# Altium PCB SupplyBox_v3.PcbDoc (part 1 of 2) (continued)
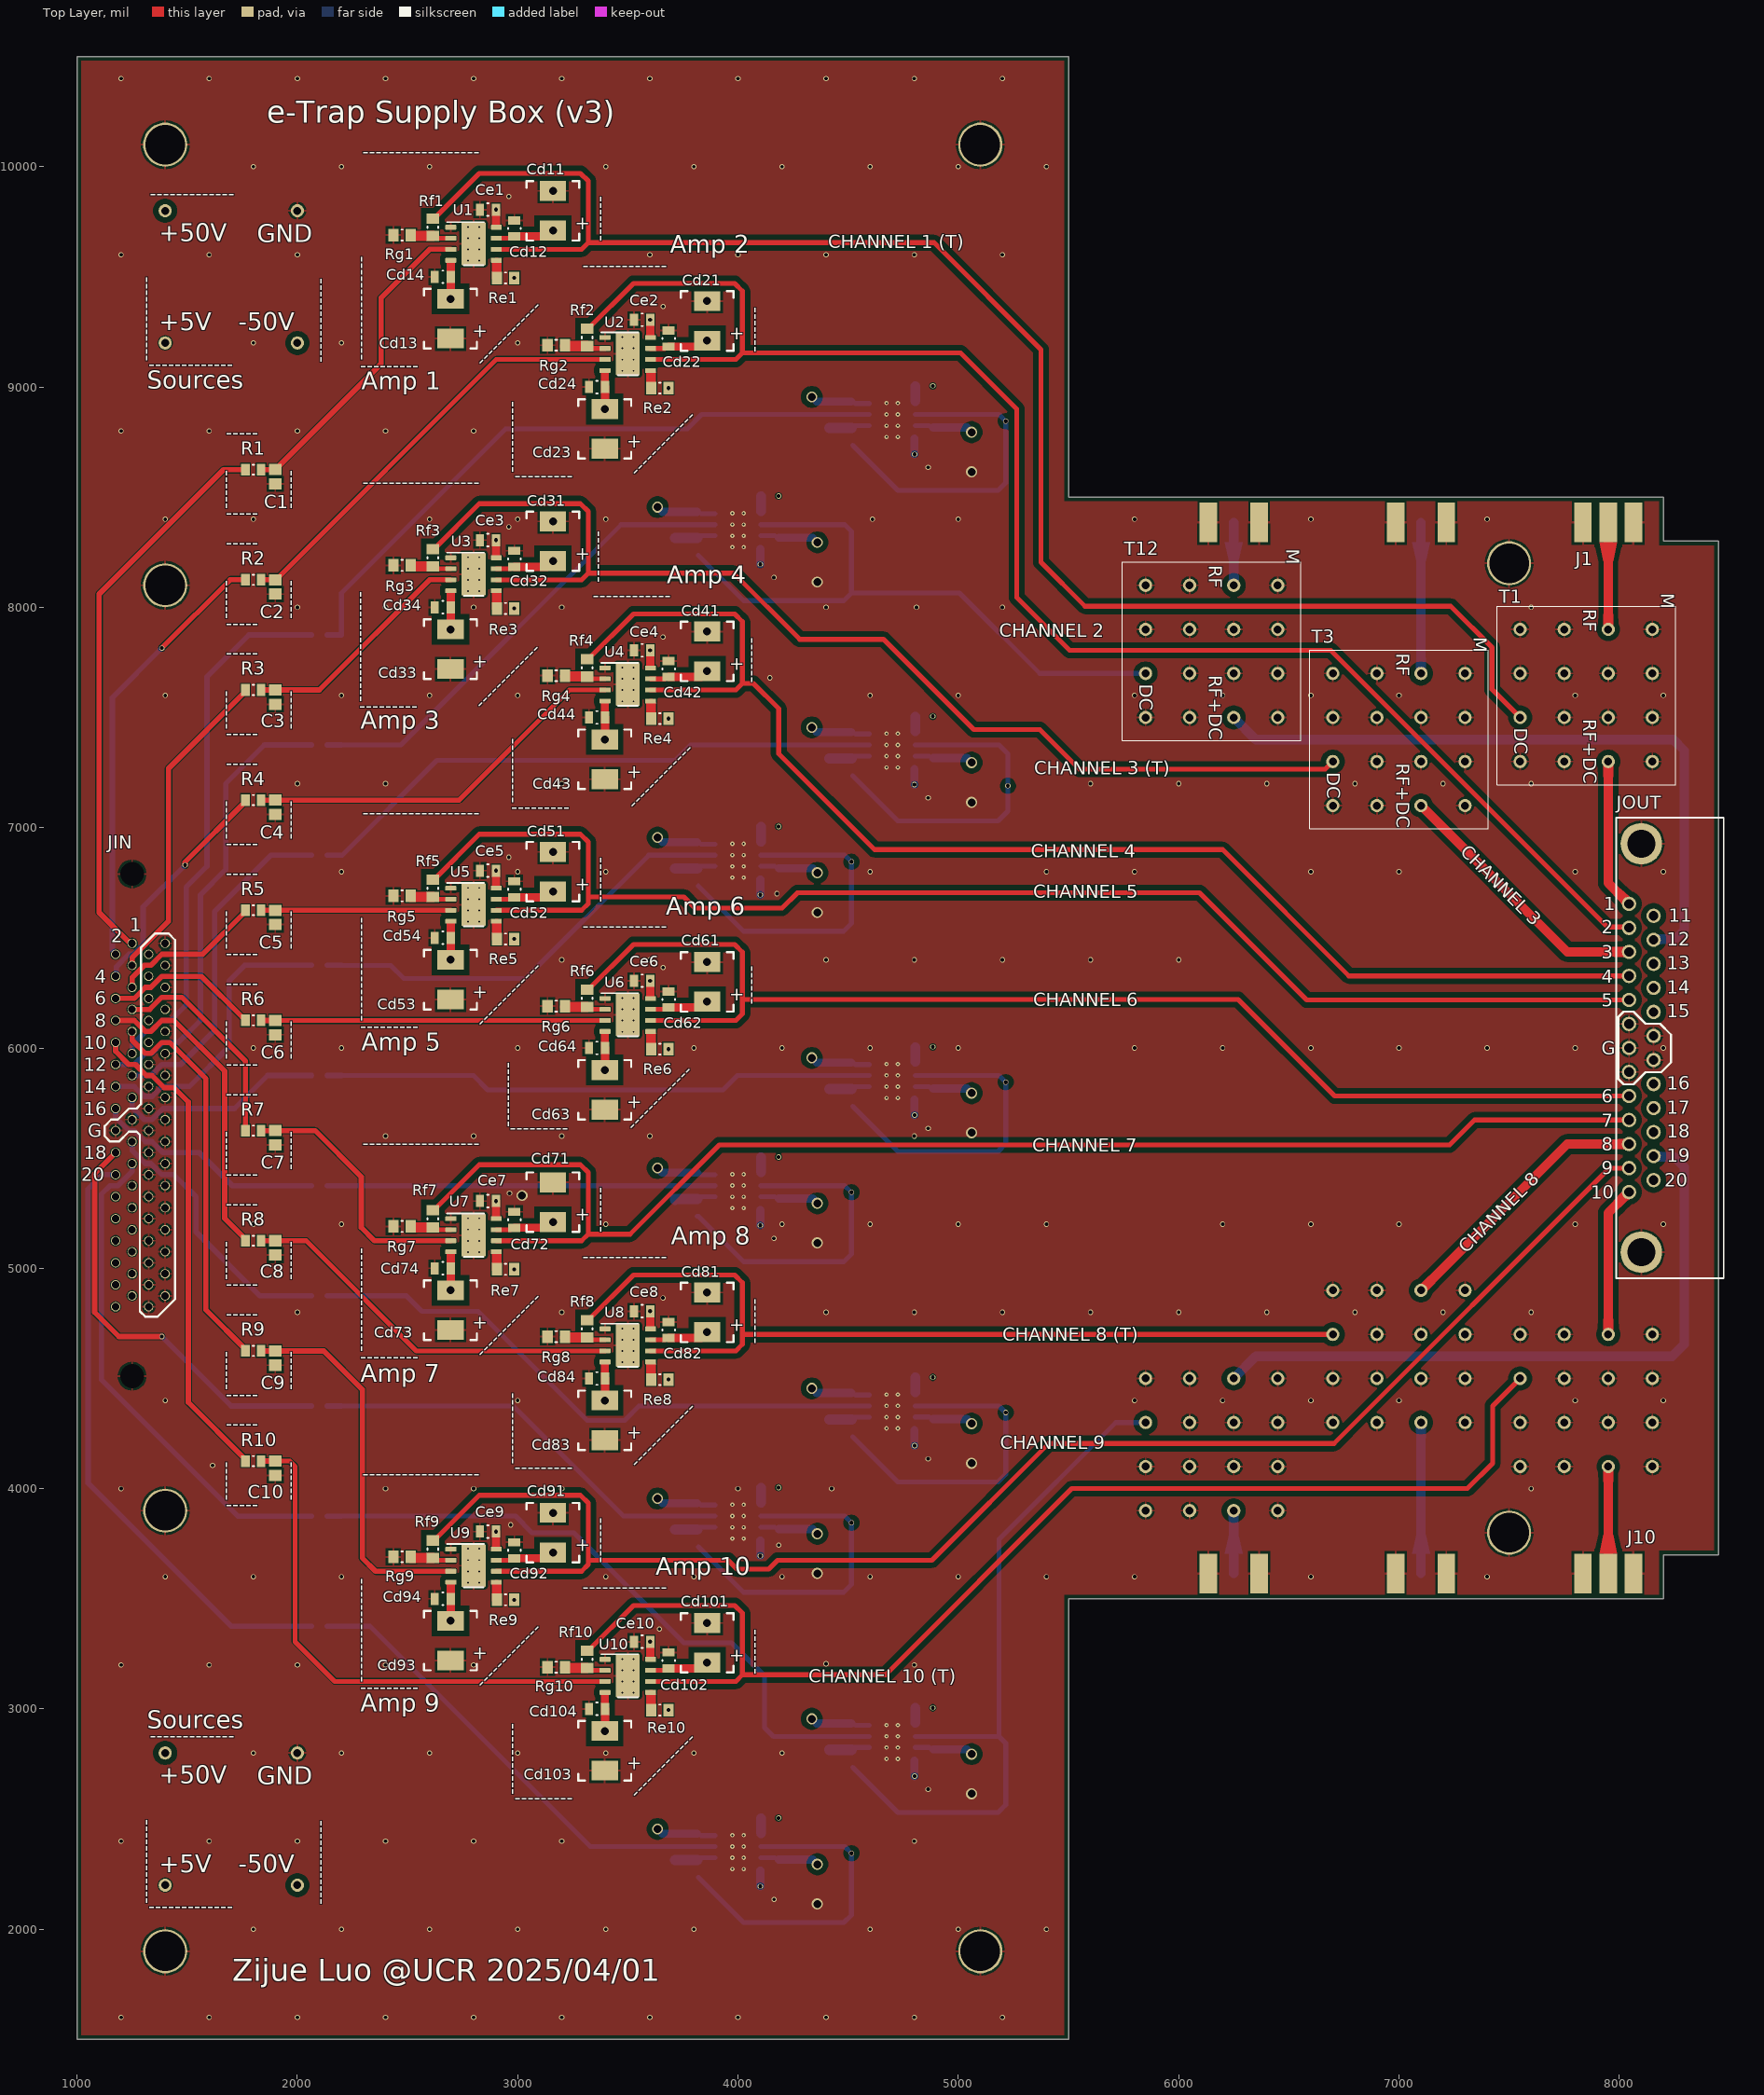
[diagram p0: Top Layer view]
## Components (designator, comment, footprint, x,y, rotation, side; value= is the part's Value field where it differs from the comment)
C1 "100n" CAPC2013X145X48NL20T23 1900,8592.52 r90 top
C2 "100n" CAPC2013X145X48NL20T23 1900,8092.52 r90 top
C3 "100n" CAPC2013X145X48NL20T23 1900,7592.52 r90 top
C4 "100n" CAPC2013X145X48NL20T23 1900,7092.52 r90 top
C5 "100n" CAPC2013X145X48NL20T23 1900,6592.52 r90 top
C6 "100n" CAPC2013X145X48NL20T23 1900,6092.52 r90 top
C7 "100n" CAPC2013X145X48NL20T23 1900,5592.52 r90 top
C8 "100n" CAPC2013X145X48NL20T23 1900,5092.52 r90 top
C9 "100n" CAPC2013X145X48NL20T23 1900,4592.52 r90 top
C10 "100n" CAPC2013X145X48NL20T23 1900,4092.52 r90 top
C11 "100n" CAPC2013X145X48NL20T23 2200,7842.52 r90 bottom
C12 "100n" CAPC2013X145X48NL20T23 2200,7342.52 r90 bottom
C13 "100n" CAPC2013X145X48NL20T23 2200,6842.52 r90 bottom
C14 "100n" CAPC2013X145X48NL20T23 2200,6342.52 r90 bottom
C15 "100n" CAPC2013X145X48NL20T23 2200,5842.52 r90 bottom
C16 "100n" CAPC2013X145X48NL20T23 2200,5342.52 r90 bottom
C17 "100n" CAPC2013X145X48NL20T23 2200,4842.52 r90 bottom
C18 "100n" CAPC2013X145X48NL20T23 2200,4342.52 r90 bottom
C19 "100n" CAPC2013X145X48NL20T23 2200,3842.52 r90 bottom
C20 "100n" CAPC2013X145X48NL20T23 2200,3342.52 r90 bottom
Cd11 "10u" RAHV1100M1UCC8002E-Footprint-1 3160,9800 r0 top
Cd12 "100n" FP-CC0805-0_85-MFG 2985,9720 r90 top value="100 nF"
Cd13 "10u" RAHV1100M1UCC8002E-Footprint-1 2695,9310 r180 top
Cd14 "100n" FP-CC0805-0_85-MFG 2660,9500 r180 top value="100 nF"
Cd21 "10u" RAHV1100M1UCC8002E-Footprint-1 3860,9300 r0 top
Cd22 "100n" FP-CC0805-0_85-MFG 3685,9220 r90 top value="100 nF"
Cd23 "10u" RAHV1100M1UCC8002E-Footprint-1 3395,8810 r180 top
Cd24 "100n" FP-CC0805-0_85-MFG 3360,9000 r180 top value="100 nF"
Cd31 "10u" RAHV1100M1UCC8002E-Footprint-1 3160,8300 r0 top
Cd32 "100n" FP-CC0805-0_85-MFG 2985,8220 r90 top value="100 nF"
Cd33 "10u" RAHV1100M1UCC8002E-Footprint-1 2695,7810 r180 top
Cd34 "100n" FP-CC0805-0_85-MFG 2660,8000 r180 top value="100 nF"
Cd41 "10u" RAHV1100M1UCC8002E-Footprint-1 3860,7800 r0 top
Cd42 "100n" FP-CC0805-0_85-MFG 3685,7720 r90 top value="100 nF"
Cd43 "10u" RAHV1100M1UCC8002E-Footprint-1 3395,7310 r180 top
Cd44 "100n" FP-CC0805-0_85-MFG 3360,7500 r180 top value="100 nF"
Cd51 "10u" RAHV1100M1UCC8002E-Footprint-1 3160,6800 r0 top
Cd52 "100n" FP-CC0805-0_85-MFG 2985,6720 r90 top value="100 nF"
Cd53 "10u" RAHV1100M1UCC8002E-Footprint-1 2695,6310 r180 top
Cd54 "100n" FP-CC0805-0_85-MFG 2660,6500 r180 top value="100 nF"
Cd61 "10u" RAHV1100M1UCC8002E-Footprint-1 3860,6300 r0 top
Cd62 "100n" FP-CC0805-0_85-MFG 3685,6220 r90 top value="100 nF"
Cd63 "10u" RAHV1100M1UCC8002E-Footprint-1 3395,5810 r180 top
Cd64 "100n" FP-CC0805-0_85-MFG 3360,6000 r180 top value="100 nF"
Cd71 "10u" RAHV1100M1UCC8002E-Footprint-1 3160,5300 r0 top
Cd72 "100n" FP-CC0805-0_85-MFG 2985,5220 r90 top value="100 nF"
Cd73 "10u" RAHV1100M1UCC8002E-Footprint-1 2695,4810 r180 top
Cd74 "100n" FP-CC0805-0_85-MFG 2660,5000 r180 top value="100 nF"
Cd81 "10u" RAHV1100M1UCC8002E-Footprint-1 3860,4800 r0 top
Cd82 "100n" FP-CC0805-0_85-MFG 3685,4720 r90 top value="100 nF"
Cd83 "10u" RAHV1100M1UCC8002E-Footprint-1 3395,4310 r180 top
Cd84 "100n" FP-CC0805-0_85-MFG 3360,4500 r180 top value="100 nF"
Cd91 "10u" RAHV1100M1UCC8002E-Footprint-1 3160,3800 r0 top
Cd92 "100n" FP-CC0805-0_85-MFG 2985,3720 r90 top value="100 nF"
Cd93 "10u" RAHV1100M1UCC8002E-Footprint-1 2695,3310 r180 top
Cd94 "100n" FP-CC0805-0_85-MFG 2660,3500 r180 top value="100 nF"
Cd101 "10u" RAHV1100M1UCC8002E-Footprint-1 3860,3300 r0 top
Cd102 "100n" FP-CC0805-0_85-MFG 3685,3220 r90 top value="100 nF"
Cd103 "10u" RAHV1100M1UCC8002E-Footprint-1 3395,2810 r180 top
Cd104 "100n" FP-CC0805-0_85-MFG 3360,3000 r180 top value="100 nF"
Cd111 "10u" RAHV1100M1UCC8002E-Footprint-1 5060,8705 r0 bottom
Cd112 "100n" FP-CC0805-0_85-MFG 4885,8780 r270 bottom value="100 nF"
Cd113 "10u" RAHV1100M1UCC8002E-Footprint-1 4335,9045 r180 bottom
Cd114 "100n" FP-CC0805-0_85-MFG 4515,8970 r90 bottom value="100 nF"
Cd121 "10u" RAHV1100M1UCC8002E-Footprint-1 4360,8205 r0 bottom
Cd122 "100n" FP-CC0805-0_85-MFG 4185,8280 r270 bottom value="100 nF"
Cd123 "10u" RAHV1100M1UCC8002E-Footprint-1 3635,8545 r180 bottom
Cd124 "100n" FP-CC0805-0_85-MFG 3815,8470 r90 bottom value="100 nF"
Cd131 "10u" RAHV1100M1UCC8002E-Footprint-1 5060,7205 r0 bottom
Cd132 "100n" FP-CC0805-0_85-MFG 4885,7280 r270 bottom value="100 nF"
Cd133 "10u" RAHV1100M1UCC8002E-Footprint-1 4335,7545 r180 bottom
Cd134 "100n" FP-CC0805-0_85-MFG 4515,7470 r90 bottom value="100 nF"
Cd141 "10u" RAHV1100M1UCC8002E-Footprint-1 4360,6705 r0 bottom
Cd142 "100n" FP-CC0805-0_85-MFG 4185,6780 r270 bottom value="100 nF"
Cd143 "10u" RAHV1100M1UCC8002E-Footprint-1 3635,7045 r180 bottom
Cd144 "100n" FP-CC0805-0_85-MFG 3815,6970 r90 bottom value="100 nF"
Cd151 "10u" RAHV1100M1UCC8002E-Footprint-1 5060,5705 r0 bottom
Cd152 "100n" FP-CC0805-0_85-MFG 4885,5780 r270 bottom value="100 nF"
Cd153 "10u" RAHV1100M1UCC8002E-Footprint-1 4335,6045 r180 bottom
Cd154 "100n" FP-CC0805-0_85-MFG 4515,5970 r90 bottom value="100 nF"
Cd161 "10u" RAHV1100M1UCC8002E-Footprint-1 4360,5205 r0 bottom
Cd162 "100n" FP-CC0805-0_85-MFG 4185,5280 r270 bottom value="100 nF"
Cd163 "10u" RAHV1100M1UCC8002E-Footprint-1 3635,5545 r180 bottom
Cd164 "100n" FP-CC0805-0_85-MFG 3815,5470 r90 bottom value="100 nF"
Cd171 "10u" RAHV1100M1UCC8002E-Footprint-1 5060,4205 r0 bottom
Cd172 "100n" FP-CC0805-0_85-MFG 4885,4280 r270 bottom value="100 nF"
Cd173 "10u" RAHV1100M1UCC8002E-Footprint-1 4335,4545 r180 bottom
Cd174 "100n" FP-CC0805-0_85-MFG 4515,4470 r90 bottom value="100 nF"
Cd181 "10u" RAHV1100M1UCC8002E-Footprint-1 4360,3705 r0 bottom
Cd182 "100n" FP-CC0805-0_85-MFG 4185,3780 r270 bottom value="100 nF"
Cd183 "10u" RAHV1100M1UCC8002E-Footprint-1 3635,4045 r180 bottom
Cd184 "100n" FP-CC0805-0_85-MFG 3815,3970 r90 bottom value="100 nF"
Cd191 "10u" RAHV1100M1UCC8002E-Footprint-1 5060,2705 r0 bottom
Cd192 "100n" FP-CC0805-0_85-MFG 4885,2780 r270 bottom value="100 nF"
Cd193 "10u" RAHV1100M1UCC8002E-Footprint-1 4335,3045 r180 bottom
Cd194 "100n" FP-CC0805-0_85-MFG 4515,2970 r90 bottom value="100 nF"
Cd201 "10u" RAHV1100M1UCC8002E-Footprint-1 4360,2205 r0 bottom
Cd202 "100n" FP-CC0805-0_85-MFG 4185,2280 r270 bottom value="100 nF"
Cd203 "10u" RAHV1100M1UCC8002E-Footprint-1 3635,2545 r180 bottom
Cd204 "100n" FP-CC0805-0_85-MFG 3815,2470 r90 bottom value="100 nF"
Ce1 "100n" FP-CC0805-0_85-MFG 2865,9805 r0 top value="100 nF"
Ce2 "100n" FP-CC0805-0_85-MFG 3565,9305 r0 top value="100 nF"
Ce3 "100n" FP-CC0805-0_85-MFG 2865,8305 r0 top value="100 nF"
Ce4 "100n" FP-CC0805-0_85-MFG 3565,7805 r0 top value="100 nF"
Ce5 "100n" FP-CC0805-0_85-MFG 2865,6805 r0 top value="100 nF"
Ce6 "100n" FP-CC0805-0_85-MFG 3565,6305 r0 top value="100 nF"
Ce7 "100n" FP-CC0805-0_85-MFG 2865,5305 r0 top value="100 nF"
Ce8 "100n" FP-CC0805-0_85-MFG 3565,4805 r0 top value="100 nF"
Ce9 "100n" FP-CC0805-0_85-MFG 2865,3805 r0 top value="100 nF"
Ce10 "100n" FP-CC0805-0_85-MFG 3565,3305 r0 top value="100 nF"
Ce11 "100n" FP-CC0805-0_85-MFG 4765,8695 r0 bottom value="100 nF"
Ce12 "100n" FP-CC0805-0_85-MFG 4065,8195 r0 bottom value="100 nF"
Ce13 "100n" FP-CC0805-0_85-MFG 4765,7195 r0 bottom value="100 nF"
Ce14 "100n" FP-CC0805-0_85-MFG 4065,6695 r0 bottom value="100 nF"
Ce15 "100n" FP-CC0805-0_85-MFG 4765,5695 r0 bottom value="100 nF"
Ce16 "100n" FP-CC0805-0_85-MFG 4065,5195 r0 bottom value="100 nF"
Ce17 "100n" FP-CC0805-0_85-MFG 4765,4195 r0 bottom value="100 nF"
Ce18 "100n" FP-CC0805-0_85-MFG 4065,3695 r0 bottom value="100 nF"
Ce19 "100n" FP-CC0805-0_85-MFG 4765,2695 r0 bottom value="100 nF"
Ce20 "100n" FP-CC0805-0_85-MFG 4065,2195 r0 bottom value="100 nF"
J1 "SMA Connector Female" SMA_Smaller 7950,8385 r0 top
J3 "SMA Connector Female" SMA_Smaller 7100,8385 r180 bottom
J8 "SMA Connector Female" SMA_Smaller 7100,3615 r180 bottom
J10 "SMA Connector Female" SMA_Smaller 7950,3615 r0 top
J12 "SMA Connector Female" SMA_Smaller 6250,8385 r180 bottom
J19 "SMA Connector Female" SMA_Smaller 6250,3615 r180 bottom
JIN "1761028-4" 1761028-4-Footprint-1 1250,6475 r90 top
JOUT "618025231121" 618025231121 8230,6000 r90 top
R1 "4.7k" RESC2013X60X35NL10T20 1800,8625 r0 top
R2 "4.7k" RESC2013X60X35NL10T20 1800,8125 r0 top
R3 "4.7k" RESC2013X60X35NL10T20 1800,7625 r0 top
R4 "4.7k" RESC2013X60X35NL10T20 1800,7125 r0 top
R5 "4.7k" RESC2013X60X35NL10T20 1800,6625 r0 top
R6 "4.7k" RESC2013X60X35NL10T20 1800,6125 r0 top
R7 "4.7k" RESC2013X60X35NL10T20 1800,5625 r0 top
R8 "4.7k" RESC2013X60X35NL10T20 1800,5125 r0 top
R9 "4.7k" RESC2013X60X35NL10T20 1800,4625 r0 top
R10 "4.7k" RESC2013X60X35NL10T20 1800,4125 r0 top
R11 "4.7k" RESC2013X60X35NL10T20 2100,7875 r0 bottom
R12 "4.7k" RESC2013X60X35NL10T20 2100,7375 r0 bottom
R13 "4.7k" RESC2013X60X35NL10T20 2100,6875 r0 bottom
R14 "4.7k" RESC2013X60X35NL10T20 2100,6375 r0 bottom
R15 "4.7k" RESC2013X60X35NL10T20 2100,5875 r0 bottom
R16 "4.7k" RESC2013X60X35NL10T20 2100,5375 r0 bottom
R17 "4.7k" RESC2013X60X35NL10T20 2100,4875 r0 bottom
R18 "4.7k" RESC2013X60X35NL10T20 2100,4375 r0 bottom
R19 "4.7k" RESC2013X60X35NL10T20 2100,3875 r0 bottom
R20 "4.7k" RESC2013X60X35NL10T20 2100,3375 r0 bottom
Re1 "10k" RESC2013X60X35ML10T20 2945,9495 r0 top
Re2 "10k" RESC2013X60X35ML10T20 3645,8995 r0 top
Re3 "10k" RESC2013X60X35ML10T20 2945,7995 r0 top
Re4 "10k" RESC2013X60X35ML10T20 3645,7495 r0 top
Re5 "10k" RESC2013X60X35ML10T20 2945,6495 r0 top
Re6 "10k" RESC2013X60X35ML10T20 3645,5995 r0 top
Re7 "10k" RESC2013X60X35ML10T20 2945,4995 r0 top
Re8 "10k" RESC2013X60X35ML10T20 3645,4495 r0 top
Re9 "10k" RESC2013X60X35ML10T20 2945,3495 r0 top
Re10 "10k" RESC2013X60X35ML10T20 3645,2995 r0 top
Re11 "10k" RESC2013X60X35ML10T20 4845,9005 r0 bottom
Re12 "10k" RESC2013X60X35ML10T20 4145,8505 r0 bottom
Re13 "10k" RESC2013X60X35ML10T20 4845,7505 r0 bottom
Re14 "10k" RESC2013X60X35ML10T20 4145,7005 r0 bottom
Re15 "10k" RESC2013X60X35ML10T20 4845,6005 r0 bottom
Re16 "10k" RESC2013X60X35ML10T20 4145,5505 r0 bottom
Re17 "10k" RESC2013X60X35ML10T20 4845,4505 r0 bottom
Re18 "10k" RESC2013X60X35ML10T20 4145,4005 r0 bottom
Re19 "10k" RESC2013X60X35ML10T20 4845,3005 r0 bottom
Re20 "10k" RESC2013X60X35ML10T20 4145,2505 r0 bottom
Rf1 "33k" RESC2013X60X35ML10T20 2615,9725 r90 top
Rf2 "33k" RESC2013X60X35ML10T20 3315,9225 r90 top
Rf3 "33k" RESC2013X60X35ML10T20 2615,8225 r90 top
Rf4 "33k" RESC2013X60X35ML10T20 3315,7725 r90 top
Rf5 "33k" RESC2013X60X35ML10T20 2615,6725 r90 top
Rf6 "33k" RESC2013X60X35ML10T20 3315,6225 r90 top
Rf7 "33k" RESC2013X60X35ML10T20 2615,5225 r90 top
Rf8 "33k" RESC2013X60X35ML10T20 3315,4725 r90 top
Rf9 "33k" RESC2013X60X35ML10T20 2615,3725 r90 top
Rf10 "33k" RESC2013X60X35ML10T20 3315,3225 r90 top
Rf11 "33k" RESC2013X60X35ML10T20 4515,8775 r270 bottom
Rf12 "33k" RESC2013X60X35ML10T20 3815,8275 r270 bottom
Rf13 "33k" RESC2013X60X35ML10T20 4515,7275 r270 bottom
Rf14 "33k" RESC2013X60X35ML10T20 3815,6775 r270 bottom
Rf15 "33k" RESC2013X60X35ML10T20 4515,5775 r270 bottom
Rf16 "33k" RESC2013X60X35ML10T20 3815,5275 r270 bottom
Rf17 "33k" RESC2013X60X35ML10T20 4515,4275 r270 bottom
Rf18 "33k" RESC2013X60X35ML10T20 3815,3775 r270 bottom
Rf19 "33k" RESC2013X60X35ML10T20 4515,2775 r270 bottom
Rf20 "33k" RESC2013X60X35ML10T20 3815,2275 r270 bottom
Rg1 "10k" RESC2013X60X35ML10T20 2475,9690 r0 top
Rg2 "10k" RESC2013X60X35ML10T20 3175,9190 r0 top
Rg3 "10k" RESC2013X60X35ML10T20 2475,8190 r0 top
Rg4 "10k" RESC2013X60X35ML10T20 3175,7690 r0 top
Rg5 "10k" RESC2013X60X35ML10T20 2475,6690 r0 top
Rg6 "10k" RESC2013X60X35ML10T20 3175,6190 r0 top
Rg7 "10k" RESC2013X60X35ML10T20 2475,5190 r0 top
Rg8 "10k" RESC2013X60X35ML10T20 3175,4690 r0 top
Rg9 "10k" RESC2013X60X35ML10T20 2475,3690 r0 top
Rg10 "10k" RESC2013X60X35ML10T20 3175,3190 r0 top
Rg11 "10k" RESC2013X60X35ML10T20 4375,8810 r0 bottom
Rg12 "10k" RESC2013X60X35ML10T20 3675,8310 r0 bottom
Rg13 "10k" RESC2013X60X35ML10T20 4375,7310 r0 bottom
Rg14 "10k" RESC2013X60X35ML10T20 3675,6810 r0 bottom
Rg15 "10k" RESC2013X60X35ML10T20 4375,5810 r0 bottom
Rg16 "10k" RESC2013X60X35ML10T20 3675,5310 r0 bottom
Rg17 "10k" RESC2013X60X35ML10T20 4375,4310 r0 bottom
Rg18 "10k" RESC2013X60X35ML10T20 3675,3810 r0 bottom
Rg19 "10k" RESC2013X60X35ML10T20 4375,2810 r0 bottom
Rg20 "10k" RESC2013X60X35ML10T20 3675,2310 r0 bottom
T1 "PBTC-1GW+" PBTC-1GW+ 7850,7600 r270 top
T3 "PBTC-1GW+" PBTC-1GW+ 7000,7400 r270 top
T8 "PBTC-1GW+" PBTC-1GW+ 7000,4600 r90 bottom
T10 "PBTC-1GW+" PBTC-1GW+ 7850,4400 r90 bottom
T12 "PBTC-1GW+" PBTC-1GW+ 6150,7800 r270 top
T19 "PBTC-1GW+" PBTC-1GW+ 6150,4200 r90 bottom
U1 "OPA454AIDDA" DDA0008C_L#1 2800,9650 r0 top
U2 "OPA454AIDDA" DDA0008C_L#1 3500,9150 r0 top
U3 "OPA454AIDDA" DDA0008C_L#1 2800,8150 r0 top
U4 "OPA454AIDDA" DDA0008C_L#1 3500,7650 r0 top
U5 "OPA454AIDDA" DDA0008C_L#1 2800,6650 r0 top
U6 "OPA454AIDDA" DDA0008C_L#1 3500,6150 r0 top
U7 "OPA454AIDDA" DDA0008C_L#1 2800,5150 r0 top
U8 "OPA454AIDDA" DDA0008C_L#1 3500,4650 r0 top
U9 "OPA454AIDDA" DDA0008C_L#1 2800,3650 r0 top
U10 "OPA454AIDDA" DDA0008C_L#1 3500,3150 r0 top
U11 "OPA454AIDDA" DDA0008C_L#2 4700,8850 r0 bottom
U12 "OPA454AIDDA" DDA0008C_L#2 4000,8350 r0 bottom
U13 "OPA454AIDDA" DDA0008C_L#2 4700,7350 r0 bottom
U14 "OPA454AIDDA" DDA0008C_L#2 4000,6850 r0 bottom
U15 "OPA454AIDDA" DDA0008C_L#2 4700,5850 r0 bottom
U16 "OPA454AIDDA" DDA0008C_L#2 4000,5350 r0 bottom
U17 "OPA454AIDDA" DDA0008C_L#2 4700,4350 r0 bottom
U18 "OPA454AIDDA" DDA0008C_L#2 4000,3850 r0 bottom
U19 "OPA454AIDDA" DDA0008C_L#2 4700,2850 r0 bottom
U20 "OPA454AIDDA" DDA0008C_L#2 4000,2350 r0 bottom

## Footprints (in the part's own frame and the unit in brackets; to place one, negate y for a bottom-side part, rotate by r counter-clockwise, add the part's x,y. Pads: shape width x height; smd on the part's side, far side on the other; paste and mask are expansions set on the pad)
1761028-4-Footprint-1 [mil]
  round 42 hole 34: 1(0,0) 2(-50,75) 3(-100,0) 4(-150,75) 5(-200,0) 6(-250,75) 7(-300,0) 8(-350,75) 9(-400,0) 10(-450,75) 11(-500,0) 12(-550,75) 13(-600,0) 14(-650,75) 15(-700,0) 16(-750,75) 17(-800,0) 18(-850,75) 19(-900,0) 20(-950,75) 21(-1000,0) 22(-1050,75) 23(-1100,0) 24(-1150,75) 25(-1200,0) 26(-1250,75) 27(-1300,0) 28(-1350,75) 29(-1400,0) 30(-1450,75) 31(-1500,0) 32(-1550,75) 33(-1600,0) 34(-1650,75) 35(0,-150) 36(-50,-75) 37(-100,-150) 38(-150,-75) 39(-200,-150) 40(-250,-75) 41(-300,-150) 42(-350,-75) 43(-400,-150) 44(-450,-75) 45(-500,-150) 46(-550,-75) 47(-600,-150) 48(-650,-75) 49(-700,-150) 50(-750,-75) 51(-800,-150) 52(-850,-75) 53(-900,-150) 54(-950,-75) 55(-1000,-150) 56(-1050,-75) 57(-1100,-150) 58(-1150,-75) 59(-1200,-150) 60(-1250,-75) 61(-1300,-150) 62(-1350,-75) 63(-1400,-150) 64(-1450,-75) 65(-1500,-150) 66(-1550,-75) 67(-1600,-150) 68(-1650,-75)
  round 100 hole 109: M1(315,0) M2(-1965,0)
618025231121 [mm] "25 pins, right angled, 8.08mm, with hex screw"
  round 1.65 hole 1.09: 1(16.62,4.72) 2(13.85,4.72) 3(11.08,4.72) 4(8.31,4.72) 5(5.54,4.72) 6(2.77,4.72) 7(0,4.72) 8(-2.77,4.72) 9(-5.54,4.72) 10(-8.31,4.72) 11(-11.08,4.72) 12(-13.85,4.72) 13(-16.62,4.72) 14(15.235,1.88) 15(12.465,1.88) 16(9.695,1.88) 17(6.925,1.88) 18(4.155,1.88) 19(1.385,1.88) 20(-1.385,1.88) 21(-4.155,1.88) 22(-6.925,1.88) 23(-9.695,1.88) 24(-12.465,1.88) 25(-15.235,1.88)
  round 4.8 hole 3.2: M1(-23.55,3.3) M2(23.55,3.3)
  silkscreen extent -26.55,-6.2 26.55,6.2, body extent -26.55,-12.2 26.55,6.2, height 12.55
CAPC2013X145X48NL20T23 [mm] "Chip Capacitor, 2-Leads, Body 2.00x1.25mm, IPC Medium Density"
  rect 1.3x1.45 smd: 1(-0.825,0) 2(0.825,0)
  body extent -1.1,-0.72 1.1,0.72, height 1.45
DDA0008C_L#1 [mm] "SOP, 8-Leads, Body 4x5mm, Pitch 1.27mm, Thermal Pad 2.4x3mm, IPC High Density"
  rrect18% 1.25x0.55 smd: 1(-2.625,1.905) 2(-2.625,0.635) 3(-2.625,-0.635) 4(-2.625,-1.905) 5(2.625,-1.905) 6(2.625,-0.635) 7(2.625,0.635) 8(2.625,1.905)
  rrect4% 2.747x4.9 smd paste-1.5 mask-1.5: 9(0,0)
  rrect4% 2.49x3 on Top Paste: 9(0,0)
  rrect4% 2.49x3 on Top Solder: 9(0,0)
  silkscreen extent -3.08,-2.47 1.2,2.5, body extent -3.01,-2.45 3.01,2.45, height 1.7
DDA0008C_L#2 [mm] "SOP, 8-Leads, Body 4x5mm, Pitch 1.27mm, Thermal Pad 2.4x3mm, IPC High Density"
  rrect18% 1.25x0.55 smd: 1(-2.625,1.905) 2(-2.625,0.635) 3(-2.625,-0.635) 4(-2.625,-1.905) 5(2.625,-1.905) 6(2.625,-0.635) 7(2.625,0.635) 8(2.625,1.905)
  rrect4% 2.747x4.9 smd paste-1.5 mask-1.5: 9(0,0)
  rrect4% 2.49x3 on Bottom Paste: 9(0,0)
  rrect4% 2.49x3 on Bottom Solder: 9(0,0)
  silkscreen extent -3.08,-2.47 1.2,2.5, body extent -3.01,-2.45 3.01,2.45, height 1.7
FP-CC0805-0_85-MFG [mm]
  rect 0.95x1.4 smd paste+0 mask+0: 1(-0.925,0) 2(0.925,0)
  silkscreen extent -0.08,-0.72 0.08,0.72, body extent -1.6,-1.05 1.6,1.05, height 0.25
PBTC-1GW+ [mil] "Mini-Circuits Bias-Tee"
  round 60 hole 36: 1(-300,-300) 2(-100,-300) 3(100,-300) 4(300,-300) 5(-300,-100) 6(-100,-100) 7(100,-100) 8(300,-100) 9(-300,100) 10(-100,100) 11(100,100) 12(300,100) 13(-300,300) 14(-100,300) 15(100,300) 16(300,300)
  silkscreen extent -405,-405 405,405
RAHV1100M1UCC8002E-Footprint-1 [mil]
  rect 120x90 smd: 1(0,90) 2(0,-90)
  silkscreen extent -120,-135 120,135
RESC2013X60X35ML10T20 [mm] "Chip Resistor, 2-Leads, Body 2.1x1.35mm, IPC Low Density"
  rect 1.2x1.45 smd: 1(-1,0) 2(1,0)
  silkscreen extent -0.1,-0.63 0.1,0.63, body extent -1.05,-0.68 1.05,0.67, height 0.6
RESC2013X60X35NL10T20 [mm] "Chip Resistor, 2-Leads, Body 2.1x1.35mm, IPC Medium Density"
  rect 1x1.35 smd: 1(-0.9,0) 2(0.9,0)
  silkscreen extent -0.1,-0.58 0.1,0.58, body extent -1.05,-0.68 1.05,0.67, height 0.6
SMA_Smaller [mil] "Our smaller SMA connectors purchased from amazon.com"
  rect 80x180 smd: 1(0,0) 2(115,0) 3(-115,0)
  rect 80x180 smd far side: 4(115,0) 5(-115,0)

## Part data
C1 C2 C3 C4 C5 C6 C7 C8 C9 C10 C11 C12 C13 C14 C15 C16 C17 C18 C19 C20: library part CMP-2007-03167-1, Manufacturer=Vitramon, Part Number=VJ0805Y104KNAAT
Cd11 Cd13 Cd21 Cd23 Cd31 Cd33 Cd41 Cd43 Cd51 Cd53 Cd61 Cd63 Cd71 Cd73 Cd81 Cd83 Cd91 Cd93 Cd101 Cd103 Cd111 Cd113 Cd121 Cd123 Cd131 Cd133 Cd141 Cd143 Cd151 Cd153 Cd161 Cd163 Cd171 Cd173 Cd181 Cd183 Cd191 Cd193 Cd201 Cd203: library part CMP-001-00083-1, "Aluminum Electrolytic Capacitor, Polarized, Aluminum (solid Polymer), 50V, 20% +Tol, 20% -Tol, 10uF, Surface Mount, 2121", RoHS Compliant=Yes
Cd12 Cd14 Cd22 Cd24 Cd32 Cd34 Cd42 Cd44 Cd52 Cd54 Cd62 Cd64 Cd72 Cd74 Cd82 Cd84 Cd92 Cd94 Cd102 Cd104 Cd112 Cd114 Cd122 Cd124 Cd132 Cd134 Cd142 Cd144 Cd152 Cd154 Cd162 Cd164 Cd172 Cd174 Cd182 Cd184 Cd192 Cd194 Cd202 Cd204 Ce1 Ce2 Ce3 Ce4 Ce5 Ce6 Ce7 Ce8 Ce9 Ce10 Ce11 Ce12 Ce13 Ce14 Ce15 Ce16 Ce17 Ce18 Ce19 Ce20: library part CMP-1036-04410-2, "CAP CER 0.1UF 25V X7R 0805", Capacitance="100 nF", Manufacturer=Yageo, Manufacturer Part Number=CC0805KRX7R8BB104, Package=CC0805-0.85, Temperature="-30°C to +85°C", Temperature Characteristic=X7R, Temperature Range High=+85°C, Temperature Range Low=-30°C, Tolerance=0.1, Voltage Rating="25 V", Automotive=No, Category=Cap, ComponentLink2Description=Datasheet, ComponentLink2URL=http://www.yageo.com/documents/recent/UPY-GPHC_Y5V_6.3V-to-50V_8.pdf, Device Class L1="Passive Components", Device Class L2=Capacitors, Device Class L3="Ceramic Capacitors", Digikey Description="CAP CER 0.1UF 25V X7R 0805", Footprint Url=http://www.yageo.com/exep/pages/download/literatures/UPY-C_GEN_24.pdf, Height=0.95mm, Ipc Land Pattern Name=CAPC200125X85, Lead Free=Yes, Material=Ceramic, Mouser Description="Multilayer Ceramic Capacitors MLCC - SMD/SMT 100nF 25V X7R 10%", Octopart=https://octopart.com/cc0805krx7r8bb104-yageo-39467766, RoHS=TRUE
J1 J3 J8 J10 J12 J19: library part CMP-002-00072-1, "Our smaller SMA Female Connector purchased from amazon.com"
JIN: library part CMP-002-00071-1, "Telecom and Datacom Connector, 68 Contact(s), Female, Right Angle, Solder Terminal, #2-56, Receptacle", Max Operating Temperature=105°C, Min Operating Temperature=-55°C, Connector Type="TELECOM AND DATACOM CONNECTOR", Mounting Technology=Panel,Board, RoHS Compliant=Yes
JOUT: library part CMP-1502-00202-2, Contact Resistance=30mΩ, Current Rating=3A, Insulation Resistance=5GΩ, Max Operating Temperature=105°C, Min Operating Temperature=-55°C, Operating Supply Voltage=125V, Contact Plating=Gold, Depth=18.5mm, Gender=Female, Housing Material=Steel, Insulation Material=PBT, Length=38.33mm, Mount="Through Hole", NexarPartId=18818207, Number of Contacts=25, Number of Pins=25, Number of Rows=2, Orientation="Right Angle", Pitch=2.77mm, REACH SVHC=Unknown, RoHS=Compliant, Termination=SMD/SMT, Voltage Rating=125V, Width=12.5mm
R1 R2 R3 R4 R5 R6 R7 R8 R9 R10 R11 R12 R13 R14 R15 R16 R17 R18 R19 R20: library part CMP-1659-00011-4, "Chip Resistor, 47 KOhm, +/- 1%, 0.125 W, -55 to 155 degC, 0805 (2012 Metric), RoHS, Tape and Reel", Manufacturer=Yageo, Max Operating Temperature="155 degC", Min Operating Temperature="-55 degC", Package Quantity=200, Voltage Rating="150 V", ComponentLink1Description="Manufacturer URL", ComponentLink1URL=http://www.yageo.com/, ComponentLink2Description=Datasheet, ComponentLink2URL=http://www.yageo.com/documents/recent/PYu-RC_Group_51_RoHS_L_04.pdf, DatasheetVersion="Rev. 4, 02/2016", Height="0.5 mm", Length="2 mm", Mount="Surface Mount", Mounting Technology="Surface Mount", PackageDescription="2-Pin Surface Mounted Device, Body 2 x 1.25 mm", PackageReference=0805, Packaging="Tape and Reel", Pins=2, REACH SVHC="No SVHC", RoHSCompliant=true
Re1 Re2 Re3 Re4 Re5 Re6 Re7 Re8 Re9 Re10 Re11 Re12 Re13 Re14 Re15 Re16 Re17 Re18 Re19 Re20 Rg1 Rg2 Rg3 Rg4 Rg5 Rg6 Rg7 Rg8 Rg9 Rg10 Rg11 Rg12 Rg13 Rg14 Rg15 Rg16 Rg17 Rg18 Rg19 Rg20: library part CMP-2100-03671-1, "Chip Resistor, 1 KOhm, +/- 1%, 125 mW, -55 to 155 degC, 0805 (2012 Metric), RoHS, Tape and Reel", Case Code (Imperial)=0805, Case Code (Metric)=2012, Manufacturer=Yageo, Max Operating Temperature=155degC, Max Power Dissipation=125mW, Min Operating Temperature=-55degC, Package Description="2-Pin Surface Mounted Device, Body 2 x 1.25 mm", Package Quantity=1, Resistance=1KOhm, Temperature Coefficient=100ppm/degreesC, Tolerance=1%, Voltage Rating=150V, Case/Package=0805, Composition=ThickFilm, Datasheet URL=http://www.yageo.com/NewPortal/yageodocoutput?fileName=/pdf/R-Chip/PYu-RC_Group_51_RoHS_L_5.pdf, Datasheet Version="Rev. 5, 10/2016", Depth=1.25mm, Height=0.024inch, Lead Free=LeadFree, Length=0.079inch, Manufacturer URL=http://www.yageo.com/, Military Standard=Not, Number of Pins=2, Number of Terminations=2, Package Reference=0805, Packaging=TapeandReel, Power Rating=125mW, REACH SVHC=Unknown, RoHSCompliant=true, Termination=SMD/SMT, Voltage Rating (DC)=150V, Width=0.049inch
Rf1 Rf2 Rf3 Rf4 Rf5 Rf6 Rf7 Rf8 Rf9 Rf10 Rf11 Rf12 Rf13 Rf14 Rf15 Rf16 Rf17 Rf18 Rf19 Rf20: library part CMP-1013-00567-2, "Chip Resistor, 3.3 KOhm, +/- 1%, 0.125 W, -55 to 155 degC, 0805 (2012 Metric), RoHS, Tape and Reel", Case Code (Imperial)=0805, Case Code (Metric)=2012, Manufacturer=Yageo, Max Operating Temperature=155degC, Max Power Dissipation=125mW, Min Operating Temperature=-55degC, Package Description="2-Pin Surface Mounted Device, Body 2 x 1.25 mm", Package Quantity=1, Resistance=3.3KOhm, Temperature Coefficient=100ppm/degreesC, Tolerance=1%, Voltage Rating=150V, Case/Package=0805, Composition=ThickFilm, Datasheet URL=http://www.yageo.com/NewPortal/yageodocoutput?fileName=/pdf/R-Chip/PYu-RC_Group_51_RoHS_L_5.pdf, Datasheet Version="Rev. 5, 10/2016", Depth=1.25mm, Height=0.5mm, Lead Free=LeadFree, Length=2mm, Manufacturer URL=http://www.yageo.com/, Number of Terminations=2, Package Reference=0805, Packaging=TapeandReel, Power Rating=125mW, REACH SVHC=NoSVHC, RoHSCompliant=true, Termination=SMD/SMT, Weight=0.000194oz, Width=0.049inch
T1 T3 T8 T10 T12 T19: library part CMP-00025-00004-1, "Mini-Circuit Bias-Tee (Version 2)"
U1 U2 U3 U4 U5 U6 U7 U8 U9 U10 U11 U12 U13 U14 U15 U16 U17 U18 U19 U20: library part CMP-0017-00714-2, "High Voltage (100V), High-Current (50mA) Operational Amplifier, G=1 Stable, 10 to 100 V, -55 to 125 degC, 8-pin SOP (DDA8), Green (RoHS & no Sb/Br)", Manufacturer="Texas Instruments", Rating=Catalog, Total Supply Voltage(Max)(+5V is 5, +/-5V is 10)=100, Total Supply Voltage(Min)(+5V is 5, +/-5V is 10)=10, CMRR(Min)(dB)=100, Code_JEDEC=MS-012, ComponentLink1Description="Manufacturer URL", ComponentLink1URL=http://www.ti.com/, ComponentLink2Description=Datasheet, ComponentLink2URL=http://www.ti.com/lit/ds/symlink/opa454.pdf, ComponentLink3Description="Package Specification", ComponentLink3URL=http://www.ti.com/litv/pdf/mpds092e, DatasheetVersion=SBOS391A, Eco-Plan="Green (RoHS & no Sb/Br)", GBW(Typ)(MHz)=2.5, IIB(Max)(pA)=100, Iq per channel(Max)(mA)=4, Mounting Technology="Surface Mount", Number of Channels=1, Offset Drift(Typ)(uV/C)=1.6, PackageDescription="8-Pin PowerPAD(TM) Plastic Small Outline, Body 3.9 x 4.9 mm, Pitch 1.27 mm", PackageReference=DDA0008C, PackageVersion="4202561/F, 12/2011", PartNumber=OPA454AIDDA, Slew Rate(Typ)(V/us)=13, Sub Family="General Purpose Amplifier, High Output Current Amplifier (>=50mA), High Supply Voltage Amplifier (>=30V), Precision Amplifier", Vio (25C)(Max)(mV)=4, Vn at 1kHz(Typ)(nV/rtHz)=47

## Free pads (board coordinates)
  round 200 hole 180: 4.5mm(1400,1900) 4.5mm(1400,3900) 4.5mm(1400,8100) 4.5mm(1400,10100) 4.5mm(5100,1900) 4.5mm(5100,10100) 4.5mm(7500,3800) 4.5mm(7500,8200)
  round 60 hole 36: Ve(1400,2200) Ve(1400,9200) Vg(2000,2800) Vg(2000,9800) Vs+(1400,2800) Vs+(1400,9800) Vs-(2000,2200) Vs-(2000,9200)

## Via types
v1: diameter 24, hole 16, Top Layer to Bottom Layer, 225 vias
v2: diameter 19.68, hole 7.87, Top Layer to Bottom Layer, tented both sides, 80 vias
v3: diameter 19.68, hole 7.87, Top Layer to Bottom Layer, 80 vias
v4: diameter 50, hole 36, Top Layer to Bottom Layer, 60 vias
v5: diameter 24, hole 18, Top Layer to Bottom Layer, 51 vias

## Nets (pads, with @x,y where several pads share a name; then routed paths per layer and width w, separated by ;. In a path a pad name is that pad's centre, name@x,y a point inside that pad or via, vN(x,y) a via of type N, cw(c..) or ccw(c..) an arc to the next point about the centre after c; other vN are vias at no path point)
+5V: Ce1.2 Ce2.2 Ce3.2 Ce4.2 Ce5.2 Ce6.2 Ce7.2 Ce8.2 Ce9.2 Ce10.2 Ce11.2 Ce12.2 Ce13.2 Ce14.2 Ce15.2 Ce16.2 Ce17.2 Ce18.2 Ce19.2 Ce20.2 pad.Ve Re1.2 Re2.2 Re3.2 Re4.2 Re5.2 Re6.2 Re7.2 Re8.2 Re9.2 Re10.2 Re11.2 Re12.2 Re13.2 Re14.2 Re15.2 Re16.2 Re17.2 Re18.2 Re19.2 Re20.2 U1.8 U2.8 U3.8 U4.8 U5.8 U6.8 U7.8 U8.8 U9.8 U10.8 U11.8 U12.8 U13.8 U14.8 U15.8 U16.8 U17.8 U18.8 U19.8 U20.8 | length 1396.6
  Top Layer w37: Ce5.2@2901.42,6805 2901.62,6804.8 U5.8@2901.62,6735 ; U9.8@2901.62,3735 Ce9.2@2901.62,3804.8 ; U7.8@2901.62,5235 Ce7.2@2901.62,5304.8 ; U3.8@2901.62,8235 Ce3.2@2901.62,8304.8 ; U1.8@2901.62,9735 Ce1.2@2901.62,9804.8 ; U10.8@3601.62,3235 Ce10.2@3601.62,3304.8 ; U8.8@3601.62,4735 Ce8.2@3601.62,4804.8 ; U6.8@3601.62,6235 Ce6.2@3601.62,6304.8 ; U4.8@3601.62,7735 Ce4.2@3601.62,7804.8 ; U2.8@3601.62,9235 Ce2.2@3601.62,9304.8
  Bottom Layer w37: Ce20.2@4101.22,2195.2 U20.8@4101.22,2265 ; Ce18.2@4101.22,3695.2 U18.8@4101.22,3765 ; U16.8@4101.22,5265 4101.22,5195.2 v5(4101.42,5195) ; v5(4101.22,6695.2) U14.8@4101.22,6765 ; Ce12.2@4101.22,8195.2 U12.8@4101.22,8265 ; Ce19.2@4801.22,2695.2 U19.8@4801.22,2765 ; Ce17.2@4801.22,4195.2 U17.8@4801.22,4265 ; Ce15.2@4801.22,5695.2 U15.8@4801.22,5765 ; v5(4801.22,7195.2) U13.8@4801.22,7265 ; Ce11.2@4801.22,8695.2 U11.8@4801.22,8765
  other v5: 4101.42,2195 4184.37,2505 4801.42,2695 3684.17,2995.2 4884.37,3005 3601.22,3305.2 2984.17,3495.2 4101.42,3695 2901.22,3805.2 4184.37,4005 4801.42,4195 3684.17,4495.2 4884.37,4505 3601.22,4805.2 2984.17,4995.2 2901.22,5305.2 4184.37,5505 4801.42,5695 3684.17,5995.2 4884.37,6005 3601.22,6305.2 2984.17,6495.2 2901.22,6805.2 4184.37,7005 3684.17,7495.2 4884.37,7505 3601.22,7805.2 2984.17,7995.2 4101.42,8195 2901.22,8305.2 4184.37,8505 4801.42,8695 3684.17,8995.2 4884.37,9005 3601.42,9305 2984.17,9495.2 2901.42,9805
+50V: Cd11.2 Cd12.1 Cd21.2 Cd22.1 Cd31.2 Cd32.1 Cd41.2 Cd42.1 Cd51.2 Cd52.1 Cd61.2 Cd62.1 Cd71.2 Cd72.1 Cd81.2 Cd82.1 Cd91.2 Cd92.1 Cd101.2 Cd102.1 Cd111.2 Cd112.1 Cd121.2 Cd122.1 Cd131.2 Cd132.1 Cd141.2 Cd142.1 Cd151.2 Cd152.1 Cd161.2 Cd162.1 Cd171.2 Cd172.1 Cd181.2 Cd182.1 Cd191.2 Cd192.1 Cd201.2 Cd202.1 pad.Vs+ U1.7 U2.7 U3.7 U4.7 U5.7 U6.7 U7.7 U8.7 U9.7 U10.7 U11.7 U12.7 U13.7 U14.7 U15.7 U16.7 U17.7 U18.7 U19.7 U20.7 | length 4373.6
  Top Layer w22: U9.7@2903.35,3675 Cd92.1@2967.56,3675 ; U7.7@2903.35,5175 Cd72.1@2967.56,5175 ; U5.7@2903.35,6675 Cd52.1@2967.56,6675 ; U3.7@2903.35,8175 Cd32.1@2967.56,8175 ; U1.7@2903.35,9675 Cd12.1@2967.56,9675 ; U10.7@3603.35,3175 Cd102.1@3667.56,3175 ; U8.7@3603.35,4675 Cd82.1@3667.56,4675 ; U6.7@3603.35,6175 Cd62.1@3667.56,6175 ; U4.7@3603.35,7675 Cd42.1@3667.56,7675 ; U2.7@3603.35,9175 Cd22.1@3667.56,9175
  Top Layer w37: Cd52.1@2985,6683.58 2985.2,6683.78 3133.78,6683.78 v4(3160,6710) ; Cd92.1@2985.2,3683.78 Cd91.2@3133.78,3683.78 ; Cd72.1@2985.2,5183.78 Cd71.2@3133.78,5183.78 ; Cd32.1@2985.2,8183.78 Cd31.2@3133.78,8183.78 ; Cd12.1@2985.2,9683.78 Cd11.2@3133.78,9683.78 ; Cd102.1@3685.2,3183.78 Cd101.2@3833.78,3183.78 ; Cd82.1@3685.2,4683.78 Cd81.2@3833.78,4683.78 ; Cd62.1@3685.2,6183.78 Cd61.2@3833.78,6183.78 ; Cd42.1@3685.2,7683.78 Cd41.2@3833.78,7683.78 ; Cd22.1@3685.2,9183.78 Cd21.2@3833.78,9183.78
  Bottom Layer w22: U20.7@4103.35,2325 Cd202.1@4167.56,2325 ; U18.7@4103.35,3825 Cd182.1@4167.56,3825 ; U16.7@4103.35,5325 Cd162.1@4167.56,5325 ; U14.7@4103.35,6825 Cd142.1@4167.56,6825 ; U12.7@4103.35,8325 Cd122.1@4167.56,8325 ; U19.7@4803.35,2825 Cd192.1@4867.56,2825 ; U17.7@4803.35,4325 Cd172.1@4867.56,4325 ; U15.7@4803.35,5825 Cd152.1@4867.56,5825 ; U13.7@4803.35,7325 Cd132.1@4867.56,7325 ; U11.7@4803.35,8825 Cd112.1@4867.56,8825
  Bottom Layer w37: Cd162.1@4185,5316.42 4185.2,5316.22 4338.78,5316.22 v4(4360,5295) ; Cd202.1@4185.2,2316.22 Cd201.2@4338.78,2316.22 ; Cd182.1@4185.2,3816.22 Cd181.2@4338.78,3816.22 ; Cd142.1@4185.2,6816.22 Cd141.2@4338.78,6816.22 ; Cd122.1@4185.2,8316.22 Cd121.2@4338.78,8316.22 ; Cd192.1@4885.2,2816.22 Cd191.2@5038.78,2816.22 ; Cd172.1@4885.2,4316.22 Cd171.2@5038.78,4316.22 ; Cd152.1@4885.2,5816.22 Cd151.2@5038.78,5816.22 ; Cd132.1@4885.2,7316.22 Cd131.2@5038.78,7316.22 ; Cd112.1@4885.2,8816.22 Cd111.2@5038.78,8816.22
  other v4: 4360,2295 5060,2795 3860,3210 3160,3710 4360,3795 5060,4295 3860,4710 3160,5210 5060,5795 3860,6210 4360,6795 5060,7295 3860,7710 3160,8210 4360,8295 5060,8795 3860,9210 3160,9710
-50V: Cd13.2 Cd14.1 Cd23.2 Cd24.1 Cd33.2 Cd34.1 Cd43.2 Cd44.1 Cd53.2 Cd54.1 Cd63.2 Cd64.1 Cd73.2 Cd74.1 Cd83.2 Cd84.1 Cd93.2 Cd94.1 Cd103.2 Cd104.1 Cd113.2 Cd114.1 Cd123.2 Cd124.1 Cd133.2 Cd134.1 Cd143.2 Cd144.1 Cd153.2 Cd154.1 Cd163.2 Cd164.1 Cd173.2 Cd174.1 Cd183.2 Cd184.1 Cd193.2 Cd194.1 Cd203.2 Cd204.1 pad.Vs- U1.4 U2.4 U3.4 U4.4 U5.4 U6.4 U7.4 U8.4 U9.4 U10.4 U11.4 U12.4 U13.4 U14.4 U15.4 U16.4 U17.4 U18.4 U19.4 U20.4 | length 3882.2
  Top Layer w37: v4(2695,6400) 2696.42,6401.42 Cd54.1@2696.42,6500 2696.22,6500.2 2696.22,6563.78 ; Cd94.1@2696.22,3500.2 2696.22,3563.78 ; Cd74.1@2696.22,5000.2 2696.22,5063.78 ; Cd34.1@2696.22,8000.2 2696.22,8063.78 ; Cd14.1@2696.22,9500.2 2696.22,9563.78 ; Cd93.2@2696.42,3401.42 Cd94.1@2696.42,3500 ; Cd73.2@2696.42,4901.42 Cd74.1@2696.42,5000 ; Cd33.2@2696.42,7901.42 Cd34.1@2696.42,8000 ; Cd13.2@2696.42,9401.42 Cd14.1@2696.42,9500 ; Cd104.1@3396.22,3000.2 3396.22,3063.78 ; Cd84.1@3396.22,4500.2 3396.22,4563.78 ; Cd64.1@3396.22,6000.2 3396.22,6063.78 ; Cd44.1@3396.22,7500.2 3396.22,7563.78 ; Cd24.1@3396.22,9000.2 3396.22,9063.78 ; Cd103.2@3396.42,2901.42 Cd104.1@3396.42,3000 ; Cd83.2@3396.42,4401.42 Cd84.1@3396.42,4500 ; Cd63.2@3396.42,5901.42 Cd64.1@3396.42,6000 ; Cd43.2@3396.42,7401.42 Cd44.1@3396.42,7500 ; Cd23.2@3396.42,8901.42 Cd24.1@3396.42,9000
  Bottom Layer w22: Cd204.1@3832.44,2425 U20.4@3896.65,2425 ; Cd184.1@3832.44,3925 U18.4@3896.65,3925 ; Cd164.1@3832.44,5425 U16.4@3896.65,5425 ; Cd144.1@3832.44,6925 U14.4@3896.65,6925 ; Cd124.1@3832.44,8425 U12.4@3896.65,8425 ; Cd194.1@4532.44,2925 U19.4@4596.65,2925 ; Cd174.1@4532.44,4425 U17.4@4596.65,4425 ; Cd154.1@4532.44,5925 U15.4@4596.65,5925 ; Cd134.1@4532.44,7425 U13.4@4596.65,7425 ; Cd114.1@4532.44,8925 U11.4@4596.65,8925
  Bottom Layer w37: v4(3635,5455) 3656.22,5433.78 3814.8,5433.78 Cd164.1@3815,5433.58 ; Cd203.2@3656.22,2433.78 Cd204.1@3814.8,2433.78 ; Cd183.2@3656.22,3933.78 Cd184.1@3814.8,3933.78 ; Cd143.2@3656.22,6933.78 Cd144.1@3814.8,6933.78 ; Cd123.2@3656.22,8433.78 Cd124.1@3814.8,8433.78 ; Cd193.2@4356.22,2933.78 Cd194.1@4514.8,2933.78 ; Cd173.2@4356.22,4433.78 Cd174.1@4514.8,4433.78 ; Cd153.2@4356.22,5933.78 Cd154.1@4514.8,5933.78 ; Cd133.2@4356.22,7433.78 Cd134.1@4514.8,7433.78 ; Cd113.2@4356.22,8933.78 Cd114.1@4514.8,8933.78
  other v4: 3635,2455 3395,2900 4335,2955 2695,3400 3635,3955 3395,4400 4335,4455 2695,4900 3395,5900 4335,5955 3635,6955 3395,7400 4335,7455 2695,7900 3635,8455 3395,8900 4335,8955 2695,9400
CH1A: Rf1.2 T1.3 U1.6 | length 7308
  Top Layer w22: Rf1.2@2619.92,9764.37 2825.55,9970 3285,9970 3320,9935 3320,9655 ; U1.6@2903.35,9625 3290,9625 3320,9655 ; T1.3@7550,7500 7422.72,7627.28 7422.72,7817.28 7235,8005 5575,8005 5375,8205 5375,9170 4890,9655 3320,9655
CH1F: C1.2 R1.2 U1.3 | length 1452.9
  Top Layer w24: R1.2@1835.43,8625 C1.2@1900,8625 1902.95,8625 1916.54,8638.59 1916.54,8641.54 2380,9105 2380,9405 2600,9625 U1.3@2696.65,9625
CH1IN: JIN.1 R1.1 | length 2551.6
  Top Layer w24: JIN.1@1250,6475 1245.13,6475 1236.13,6484 1231,6484 1100,6615 1100,8060 1665,8625 R1.1@1764.57,8625
CH1OUT: JOUT.1 T1.12 | length 684.7
  Top Layer w43: T1.12@7950,7300 7950,6748.5 JOUT.1@8044.17,6654.33
CH2A: JOUT.2 Rf2.2 U2.6 | length 7114.8
  Top Layer w22: Rf2.2@3319.92,9264.37 3525.55,9470 3985,9470 4020,9435 4020,9155 ; U2.6@3603.35,9125 3990,9125 4020,9155 ; JOUT.2@8044.17,6545.28 8040.06,6549.39 7945.61,6549.39 6690,7805 5505,7805 5265,8045 5265,8900 5010,9155 4020,9155
CH2F: C2.2 R2.2 U2.3 | length 1975.4
  Top Layer w22: C2.2@1900,8125 1902.95,8125 2902.95,9125 U2.3@3396.65,9125
  Top Layer w24: R2.2@1835.43,8125 C2.2@1900,8125
CH2IN: JIN.2 R2.1 | length 1997.4
  Top Layer w24: v5(1385,7815) 1695,8125 R2.1@1764.57,8125
  Bottom Layer w24: JIN.2@1175,6425 1175,6429.87 1160,6444.87 1160,7590 v5(1385,7815)
CH3A: Rf3.2 T3.3 U3.6 | length 5272
  Top Layer w22: Rf3.2@2619.92,8264.37 2825.55,8470 3285,8470 3320,8435 3320,8155 ; U3.6@2903.35,8125 3290,8125 3320,8155 ; T3.3@6700,7300 6665,7265 5550,7265 5370,7445 5070,7445 4660,7855 4280,7855 3980,8155 3320,8155
CH3F: C3.2 R3.2 U3.3 | length 1068.3
  Top Layer w24: R3.2@1835.43,7625 C3.2@1900,7625 2100,7625 2600,8125 U3.3@2696.65,8125
CH3IN: JIN.3 R3.1 | length 1463.1
  Top Layer w15: R3.1@1764.57,7618.11 R3.1@1764.57,7625
  Top Layer w24: JIN.3@1250,6375 1250,6410 1415,6575 1415,7268.54 R3.1@1764.57,7618.11
CH3OUT: JOUT.3 T3.12 | length 1219.1
  Top Layer w43: T3.12@7100,7100 7763.78,6436.22 JOUT.3@8044.17,6436.22
CH4A: JOUT.4 Rf4.2 U4.6 | length 6203.1
  Top Layer w22: Rf4.2@3319.92,7764.37 3525.55,7970 3985,7970 4020,7935 4020,7655 ; U4.6@3603.35,7625 3990,7625 4020,7655 ; JOUT.4@8044.17,6327.17 6772.83,6327.17 6200,6900 4620,6900 4185,7335 4185,7540 4070,7655 4020,7655
CH4F: C4.2 R4.2 U4.3 | length 1768.3
  Top Layer w22: C4.2@1900,7125 2735,7125 3235,7625 U4.3@3396.65,7625
  Top Layer w24: R4.2@1835.43,7125 C4.2@1900,7125
CH4IN: JIN.4 R4.1 | length 1055.9
  Top Layer w24: v5(1490,6830) 1490,6843.54 1764.57,7118.11 R4.1@1764.57,7125
  Bottom Layer w24: JIN.4@1175,6325 1178.44,6328.44 1178.44,6368.44 1235,6425 1255,6425 1300,6470 1300,6640 v5(1490,6830)
CH5A: JOUT.5 Rf5.2 U5.6 | length 6489.3
  Top Layer w22: Rf5.2@2615,6764.37 2619.92,6764.37 2825.55,6970 3285,6970 3320,6935 3320,6685 ; U5.6@2903.35,6625 3290,6625 3320,6655 3320,6685 ; JOUT.5@8044.17,6218.11 6581.89,6218.11 6095,6705 4270,6705 4200,6635 3805,6635 3755,6685 3320,6685
CH5F: C5.2 R5.2 U5.3 | length 861.2
  Top Layer w22: C5.2@1900,6625 U5.3@2696.65,6625
  Top Layer w24: R5.2@1835.43,6625 C5.2@1900,6625
CH5IN: JIN.5 R5.1 | length 687.5
  Top Layer w24: JIN.5@1250,6275 1250,6320 1305,6375 1335,6375 1385,6425 1570,6425 R5.1@1767.28,6622.28
CH6A: JOUT.9 Rf6.2 U6.6 | length 5714.5
  Top Layer w22: Rf6.2@3319.92,6264.37 3525.55,6470 3985,6470 4020,6435 4020,6220 ; U6.6@3603.35,6125 3990,6125 4020,6155 4020,6220 ; JOUT.9@8044.17,5781.89 6708.11,5781.89 6270,6220 4020,6220
CH6F: C6.2 R6.2 U6.3 | length 1561.2
  Top Layer w22: C6.2@1900,6125 U6.3@3396.65,6125
  Top Layer w24: R6.2@1835.43,6125 C6.2@1900,6125
CH6IN: JIN.6 R6.1 | length 717.9
  Top Layer w24: JIN.6@1175,6225 1260,6225 1310,6275 1335,6275 1385,6325 1564.57,6325 1749.99,6139.57 1756.88,6139.57 1764.57,6131.89 R6.1@1764.57,6125
CH7A: JOUT.10 Rf7.2 U7.6 | length 6447.5
  Top Layer w22: Rf7.2@2619.92,5264.37 2825.55,5470 3285,5470 3320,5435 3320,5155 ; U7.6@2903.35,5125 3290,5125 3320,5155 ; JOUT.10@8044.17,5672.83 7342.83,5672.83 7230,5560 3915,5560 3510,5155 3320,5155
CH7F: C7.2 R7.2 U7.3 | length 1203.1
  Top Layer w24: R7.2@1835.43,5625 C7.2@1900,5625 2080,5625 2290,5415 2290,5185 2350,5125 U7.3@2696.65,5125
CH7IN: JIN.7 R7.1 | length 972.7
  Top Layer w24: JIN.7@1250,6175 1330,6175 1385,6230 1475,6230 1764.57,5940.43 R7.1@1764.57,5625
CH8A: Rf8.2 T8.3 U8.6 | length 4188.8
  Top Layer w22: Rf8.2@3319.92,4764.37 3525.55,4970 3985,4970 4020,4935 4020,4700 ; U8.6@3603.35,4625 3990,4625 4020,4655 4020,4700 ; T8.3@6700,4700 4020,4700
CH8F: C8.2 R8.2 U8.3 | length 1768.3
  Top Layer w22: C8.2@1900,5125 2040,5125 2540,4625 U8.3@3396.65,4625
  Top Layer w24: R8.2@1835.43,5125 C8.2@1900,5125
CH8IN: JIN.8 R8.1 | length 1440.9
  Top Layer w24: JIN.8@1175,6125 1260,6125 1310,6075 1335,6075 1385,6125 1440,6125 1670,5895 1670,5226.46 1764.57,5131.89 R8.1@1764.57,5125
CH8OUT: JOUT.11 T8.12 | length 1219.1
  Top Layer w43: T8.12@7100,4900 7763.78,5563.78 JOUT.11@8044.17,5563.78
CH9A: JOUT.12 Rf9.2 U9.6 | length 7003.3
  Top Layer w22: Rf9.2@2619.92,3764.37 2825.55,3970 3285,3970 3320,3935 3320,3675 ; U9.6@2903.35,3625 3290,3625 3320,3655 3320,3675 ; JOUT.12@8044.17,5454.72 7954.72,5454.72 6705,4205 5410,4205 4880,3675 4180,3675 4140,3635 3995,3635 3955,3675 3320,3675
CH9F: C9.2 R9.2 U9.3 | length 1723.6
  Top Layer w24: R9.2@1835.43,4625 C9.2@1900,4625 2120,4625 2295,4450 2295,3685 2355,3625 U9.3@2696.65,3625